# KiCad board P5S533-TVM ISA R101G.kicad_pcb (continued)
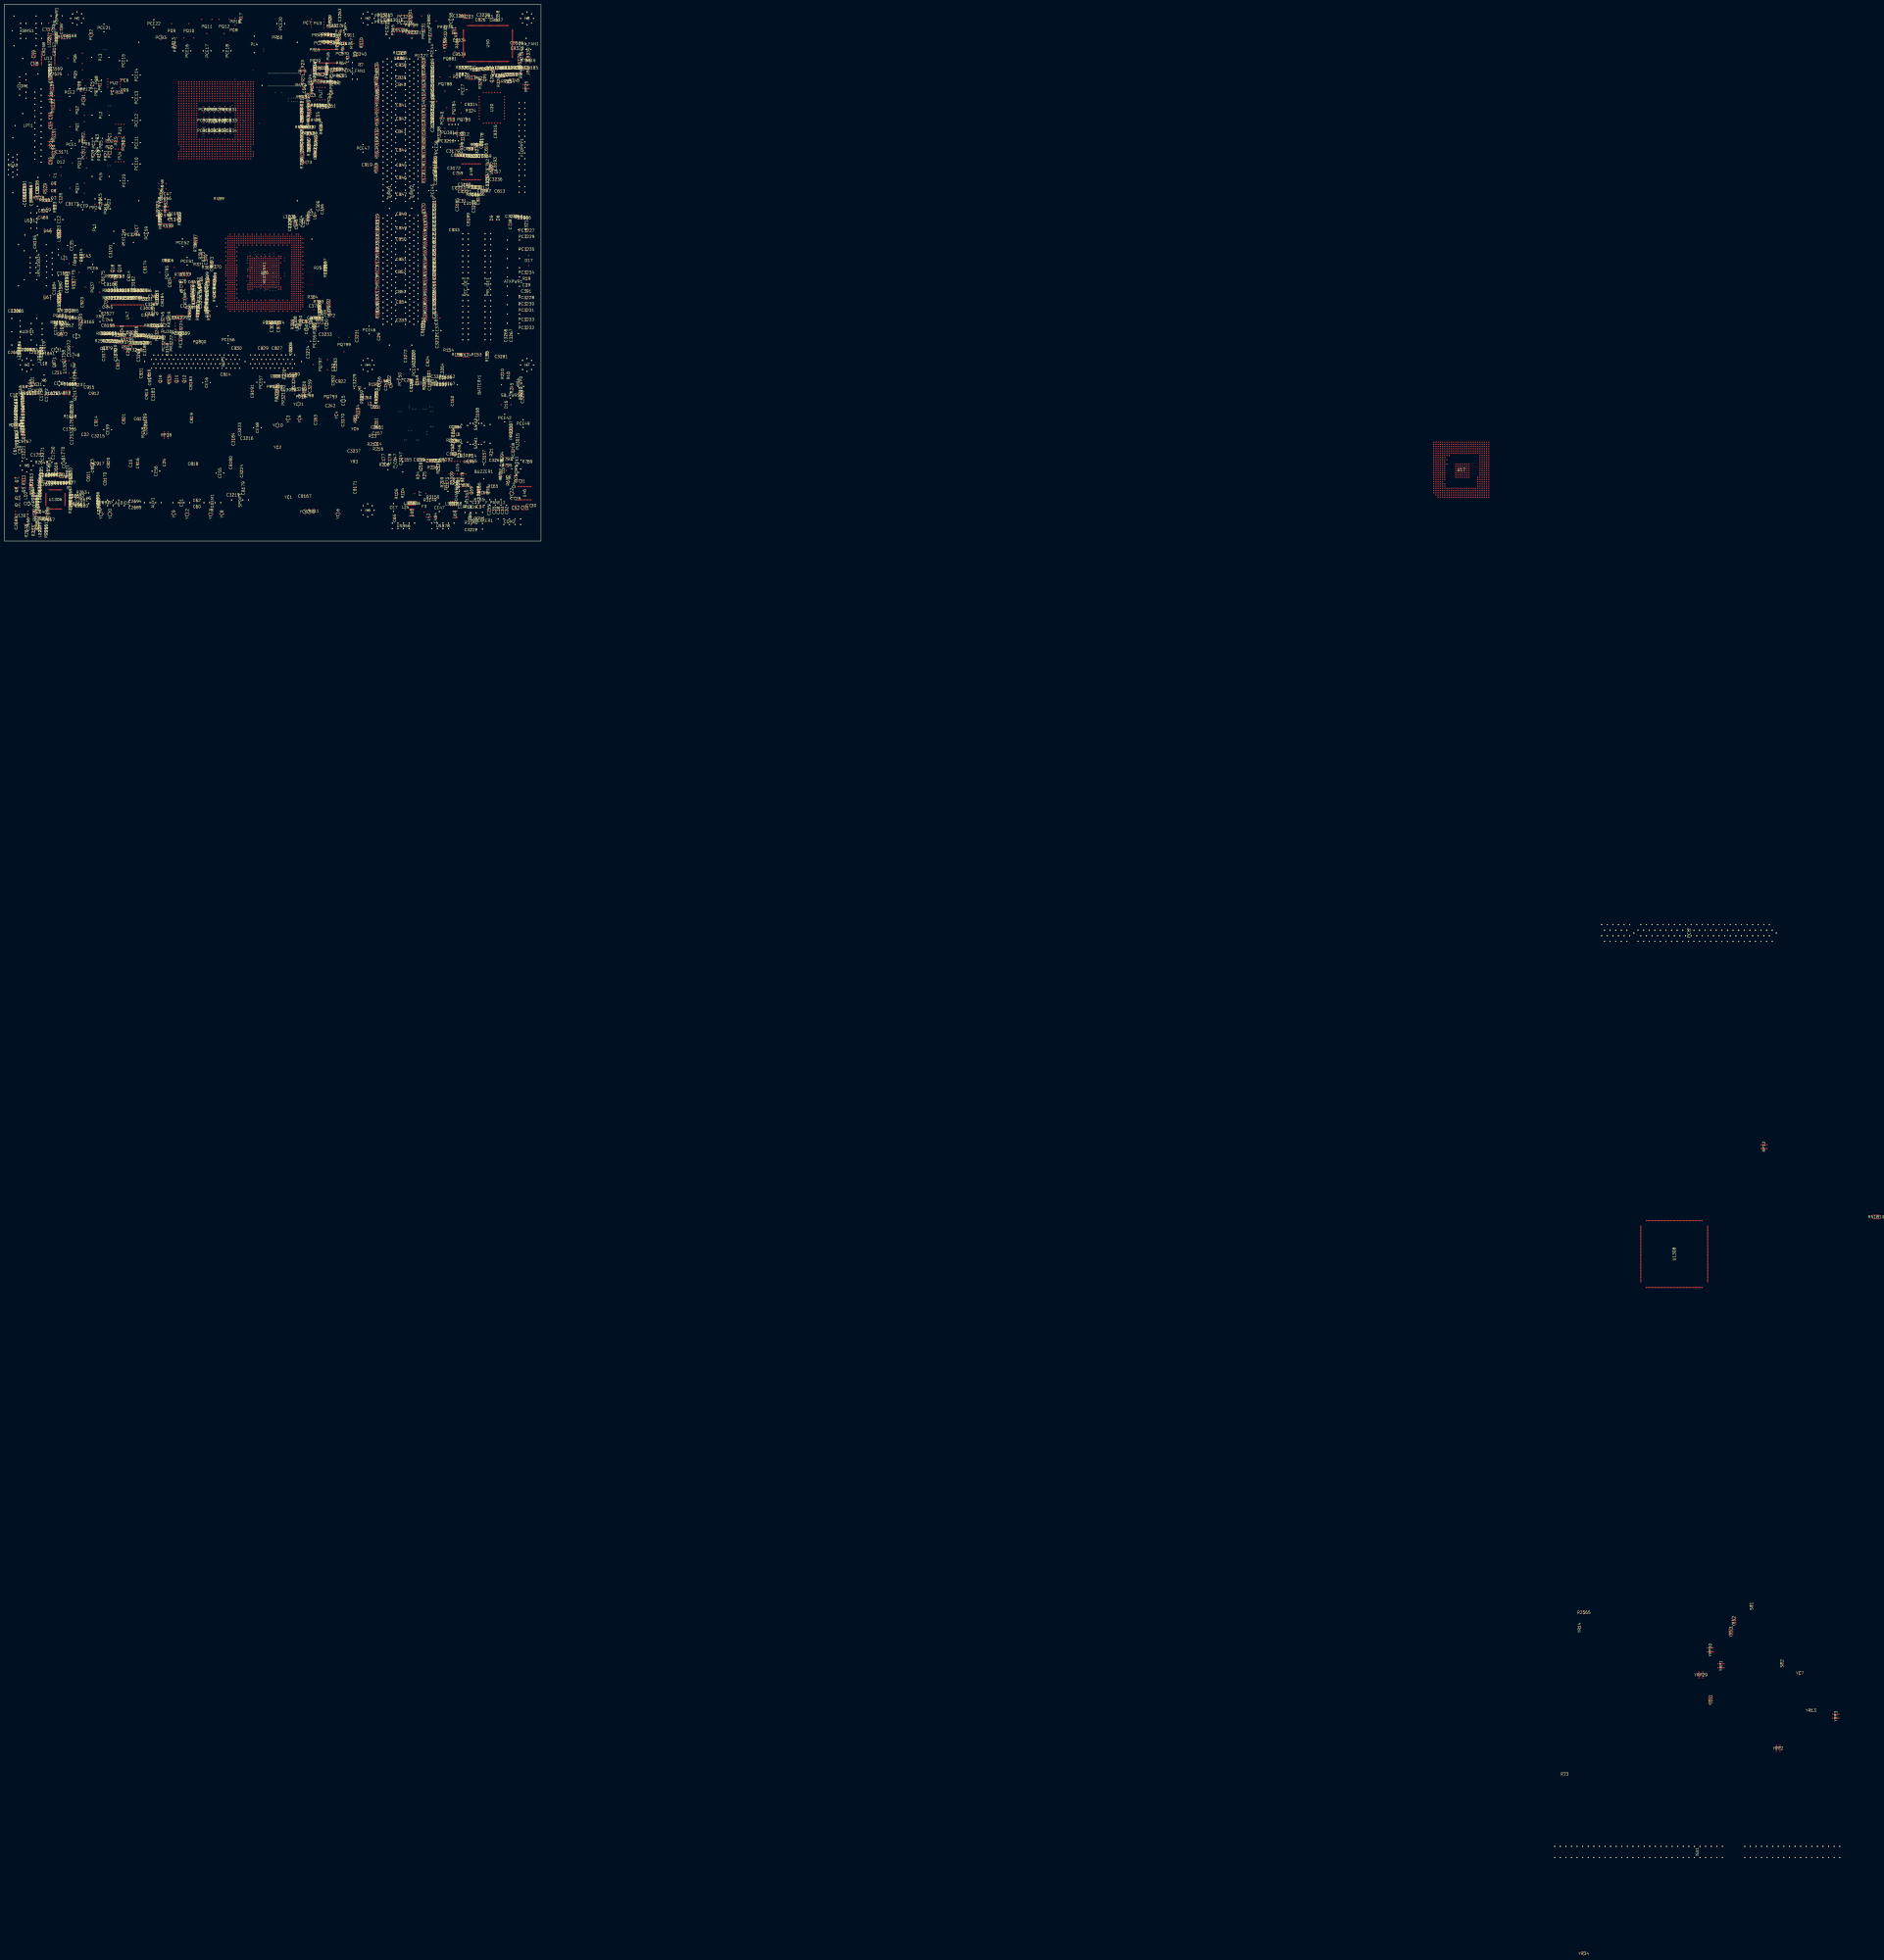
[diagram p0: board, top side]
## Nets (continued)
/+2.5VDUAL: AGP1.8 AGP1.14 AGP1.16 AGP1.22 AGP1.26 AGP1.34 AGP1.40 AGP1.48 AGP1.54 AGP1.60 AGP1.70 AGP1.78 AGP1.84 AGP1.88 AGP1.96 AGP1.102 AGP1.110 AGP1.116 AGP1.122 ATX12V1.1 ATX12V1.2 ATXPWR1.3 ATXPWR1.5 ATXPWR1.7 ATXPWR1.13 ATXPWR1.15 ATXPWR1.16 ATXPWR1.17 BATTERY1.2 BIOS_WP0.2 C1.2 C2.2 C3.2 C4.2 C5.2 C6.2 C7.2 C8.1 C9.2 C10.2 C11.2 C12.2 C13.1 C14.1 C15.1 C16.2 C17.2 C18.2 C19.2 C20.2 C21.2 C22.1 C23.1 C24.1 C25.1 C26.2 C27.1 C28.1 C29.1 C30.1 C31.2 C32.1 C33.1 C34.1 C35.1 C36.1 C38.1 C39.2 C40.1 C41.1 C42.1 C43.1 C44.2 C45.2 C46.2 C47.2 C50.2 C51.2 C52.2 C53.2 C54.2 C55.2 C56.2 C57.1 C61.1 C63.2 C64.2 C65.2 C66.2 C67.1 C135.2 C136.2 C137.2 C138.2 C139.2 C140.2 C141.2 C142.2 C143.2 C144.2 C145.2 C146.2 C147.2 C148.2 C149.2 C150.2 C151.2 C152.1 C153.2 C154.2 C155.2 C156.2 C157.2 C158.2 C159.2 C160.2 C161.2 C162.2 C163.2 C164.2 C165.2 C166.2 C167.2 C169.2 C170.2 C172.1 C173.1 C174.1 C175.2 C176.2 C177.2 C178.2 C179.2 C180.2 C181.2 C182.2 C183.2 C184.2 C185.2 C186.2 C187.2 C188.2 C189.2 C190.2 C191.2 C192.2 C193.2 C194.2 C195.2 C196.2 C197.2 C198.2 C199.2 C200.2 C201.2 C202.2 C203.2 C204.2 C205.2 C206.2 C207.2 C208.2 C209.2 C210.2 C211.2 C212.2 C213.2 C214.2 C215.2 C216.2 C217.2 C218.2 C219.2 C220.2 C221.2 C222.2 C223.2 C224.2 C225.2 C226.2 C227.2 C228.2 C229.2 C230.2 C231.2 C232.2 C233.1 C233.2 C236.2 C237.2 C241.2 C242.2 C254.2 C255.2 C257.1 C261.2 C304.2 C305.2 C306.2 C307.2 C308.2 C314.2 C325.2 C326.2 C328.2 C331.2 C332.2 C335.2 C336.2 C342.2 C343.2 C344.2 C345.2 C346.2 C347.2 C348.2 C349.2 C350.2 C351.2 C354.2 C355.2 C356.2 C358.2 C359.2 C360.2 C362.2 C363.2 C364.2 C365.2 C366.2 C367.2 C368.2 C369.1 C369.2 C370.1 C370.2 C371.1 C371.2 C372.1 C372.2 C374.1 C374.2 C391.2 C484.2 C489.2 C611.1 C612.1 C613.1 C614.1 C615.1 C616.1 C617.2 C630.2 C631.2 C647.2 C655.2 C729.2 C730.2 C731.2 C732.2 C736.2 C737.2 C738.2 C739.2 C740.2 C741.2 C742.2 C743.2 C744.2 C745.2 C746.2 C753.2 C754.2 C756.1 C757.1 C757.2 C758.2 C759.2 C760.2 C761.2 C762.2 C763.1 C764.1 C765.1 C766.1 C769.1 C770.1 C771.1 C772.1 C774.1 C775.1 C777.1 C779.1 C780.1 C781.1 C782.1 C784.1 C786.1 C788.1 C790.2 C791.1 C793.2 C794.2 C795.2 C818.1 C819.1 C820.1 C821.1 C822.2 C823.2 C824.2 C826.2 C830.2 C831.2 C832.2 C908.2 C909.2 C910.2 C911.1 C912.1 C913.1 C914.1 C915.1 C916.1 C917.1 C918.1 C919.1 C919.2 C920.1 C923.1 C924.2 C1345.2 C1635.2 C1683.2 C1684.2 C1745.2 C1746.2 C1747.2 C1748.2 C1749.2 C1750.2 C1751.2 C1752.2 C1753.2 C1754.2 C1756.2 C1757.2 C1758.2 C1759.2 C1760.2 C1761.2 C1762.2 C1763.2 C1764.2 C1765.2 C1766.2 C1767.2 C1768.2 C1769.2 C1770.2 C1771.2 C1772.2 C1773.1 C1774.1 C1775.1 C1776.2 C1777.2 C1778.2 C1779.2 C1781.1 C1784.2 C2652.2 C2654.2 C2655.2 C2660.2 C2661.2 C3006.1 C3150.2 C3157.1 C3158.1 C3159.1 C3166.2 C3167.2 C3168.1 C3169.1 C3170.1 C3171.1 C3172.1 C3173.1 C3174.1 C3176.1 C3178.1 C3179.1 C3182.1 C3183.1 C3184.1 C3185.1 C3205.2 C3206.2 C3207.2 C3208.2 C3209.2 C3210.2 C3214.2 C3215.2 C3216.2 C3218.1 C3219.2 C3220.2 C3221.2 C3222.2 C3231.1 C3232.1 C3233.1 C3236.1 C3237.1 C3246.1 C3247.1 C3260.1 C3261.1 C3262.1 C3263.1 C3264.1 C3267.1 C3268.1 C3269.1 C3270.1 C3273.2 C3274.2 C3275.2 C3276.2 C3277.2 C3278.2 C3279.2 C3280.2 C3281.1 C3283.1 C3284.1 CB15.1 CB16.1 CB25.2 CB26.2 CB27.2 CB28.2 CB29.2 CB30.2 CB31.2 CB32.2 CB33.2 CB34.2 CB35.2 CB36.2 CB37.2 CB38.1 CB38.2 CB39.1 CB39.2 CB40.1 CB40.2 CB41.1 CB41.2 CB42.1 CB42.2 CB43.1 CB43.2 CB44.1 CB44.2 CB45.1 CB45.2 CB46.1 CB46.2 CB47.1 CB47.2 CB48.1 CB48.2 CB49.1 CB49.2 CB50.1 CB50.2 CB51.1 CB51.2 CB52.1 CB52.2 CB53.1 CB53.2 CB54.1 CB54.2 CB78.2 CB79.2 CB80.1 CB81.2 CB82.2 CB83.2 CB84.2 CB85.2 CB86.2 CB87.2 CB88.2 CB89.2 CB90.2 CB91.2 CB92.2 CB93.2 CB94.2 CB95.2 CB96.2 CB97.2 CB98.2 CB99.2 CB100.1 CB100.2 CB105.2 CB106.1 CB107.1 CB108.1 CB108.2 CB109.1 CB109.2 CB111.1 CB111.2 CB114.1 CB114.2 CB115.1 CB132.2 CB157.2 CB158.2 CB159.2 CB160.2 CB165.1 CB167.1 CB168.1 CB170.2 CB171.2 CB172.2 CB173.2 CB174.2 CB175.2 CB178.2 CB179.2 CB180.2 CB181.2 CB182.2 CB183.2 CB184.2 CB185.1 CB188.1 CB189.2 CB191.1 CB192.1 CB193.1 CB193.2 CB314.2 CB315.2 CB328.2 CB329.1 CB330.2 CB331.1 CB332.1 CB534.2 CB536.2 CB537.2 CB539.2 CB540.2 CB972.2 CE2.2 CE3.2 CE7.2 CE15.2 CE16.2 CE31.2 CE32.2 CE35.2 CE47.2 CE49.2 CE50.2 CE55.2 CE56.2 CE58.2 CE59.2 CE60.2 CHA_FAN1.3 CLRTC1.1 CN1.2 CN1.4 CN1.6 CN1.8 CN2.2 CN2.4 CN2.6 CN2.8 CN3.2 CN3.4 CN3.6 CN3.8 CN4.2 CN4.4 CN4.6 CN4.8 CN5.2 CN5.4 CN5.6 CN5.8 CN6.2 CN6.4 CN6.6 CN6.8 CN7.2 CN7.4 CN7.6 CN7.8 CN8.2 CN8.4 CN8.6 CN8.8 CN9.2 CN9.4 CN9.6 CN9.8 COM1.5 COM1.10 COM1.11 COM2.5 CPU_FAN1.1 D7.1 D8.1 D9.1 DIMM1.3 DIMM1.7 DIMM1.11 DIMM1.15 DIMM1.18 DIMM1.22 DIMM1.26 DIMM1.30 DIMM1.34 DIMM1.38 DIMM1.42 DIMM1.46 DIMM1.50 DIMM1.54 DIMM1.58 DIMM1.62 DIMM1.66 DIMM1.70 DIMM1.74 DIMM1.77 DIMM1.81 DIMM1.85 DIMM1.89 DIMM1.90 DIMM1.93 DIMM1.96 DIMM1.100 DIMM1.104 DIMM1.108 DIMM1.112 DIMM1.113 DIMM1.116 DIMM1.120 DIMM1.124 DIMM1.128 DIMM1.132 DIMM1.136 DIMM1.139 DIMM1.143 DIMM1.145 DIMM1.148 DIMM1.152 DIMM1.156 DIMM1.160 DIMM1.164 DIMM1.167 DIMM1.168 DIMM1.172 DIMM1.175 DIMM1.176 DIMM1.180 DIMM1.181 DIMM1.182 DIMM1.183 DIMM2.3 DIMM2.7 DIMM2.11 DIMM2.15 DIMM2.18 DIMM2.22 DIMM2.26 DIMM2.30 DIMM2.34 DIMM2.38 DIMM2.42 DIMM2.46 DIMM2.50 DIMM2.54 DIMM2.58 DIMM2.62 DIMM2.66 DIMM2.70 DIMM2.74 DIMM2.77 DIMM2.81 DIMM2.85 DIMM2.89 DIMM2.90 DIMM2.93 DIMM2.96 DIMM2.100 DIMM2.104 DIMM2.108 DIMM2.112 DIMM2.113 DIMM2.116 DIMM2.120 DIMM2.124 DIMM2.128 DIMM2.132 DIMM2.136 DIMM2.139 DIMM2.143 DIMM2.145 DIMM2.148 DIMM2.152 DIMM2.156 DIMM2.160 DIMM2.164 DIMM2.168 DIMM2.172 DIMM2.175 DIMM2.176 DIMM2.180 DIMM2.181 DIMM2.182 DIMM2.183 F_PANEL1.5 F_PANEL1.8 FLOPPY1.1 FLOPPY1.3 FLOPPY1.7 FLOPPY1.9 FLOPPY1.11 FLOPPY1.13 FLOPPY1.15 FLOPPY1.17 FLOPPY1.19 FLOPPY1.21 FLOPPY1.23 FLOPPY1.25 FLOPPY1.27 FLOPPY1.29 FLOPPY1.31 FLOPPY1.33 H1.1 H1.2 H1.3 H1.4 H1.5 H1.6 H1.7 H1.8 H2.1 H2.2 H2.3 H2.4 H2.5 H2.6 H2.7 H2.8 H3.1 H3.2 H3.3 H3.4 H3.5 H3.6 H3.7 H3.8 H4.1 H4.2 H4.3 H4.4 H4.5 H4.6 H4.7 H4.8 H5.1 H5.2 H5.3 H5.4 H5.5 H5.6 H5.7 H5.8 H6.1 H6.2 H6.3 H6.4 H6.5 H6.6 H6.7 H6.8 H7.1 H7.2 H7.3 H7.4 H7.5 H7.6 H7.7 H7.8 H8.1 H8.2 H8.3 H8.4 H8.5 H8.6 H8.7 H8.8 IR_CON1.4 ISA1.1 ISA1.10 ISA1.31 ISA1.80 ITP1.1 ITP1.2 ITP1.7 ITP1.8 ITP1.13 ITP1.14 ITP1.19 ITP1.20 ITP1.25 ITP1.26 ITP1.31 ITP1.32 ITP1.37 ITP1.38 ITP1.49 ITP1.50 ITP1.59 ITP1.60 JP2.1 JP4.1 KBMS1.3 KBMS1.9 KBMS1.13 KBMS1.14 KBMS1.15 KBMS1.16 KBMS1.17 L105.1 L108.2 LAN_USB34.1 LAN_USB34.2 LAN_USB34.23 LAN_USB34.24 LAN_USB34.25 LAN_USB34.26 LAN_USB34.27 LAN_USB34.28 LAN_USB34.29 LAN_USB34.30 LGA775.5 LGA775.9 LGA775.12 LGA775.15 LGA775.18 LGA775.21 LGA775.24 LGA775.27 LGA775.36 LGA775.39 LGA775.40 LGA775.42 LGA775.43 LGA775.44 LGA775.45 LGA775.46 LGA775.47 LGA775.48 LGA775.49 LGA775.50 LGA775.56 LGA775.58 LGA775.59 LGA775.60 LGA775.61 LGA775.62 LGA775.63 LGA775.64 LGA775.65 LGA775.68 LGA775.71 LGA775.72 LGA775.85 LGA775.88 LGA775.99 LGA775.102 LGA775.104 LGA775.107 LGA775.110 LGA775.113 LGA775.114 LGA775.117 LGA775.121 LGA775.122 LGA775.123 LGA775.124 LGA775.125 LGA775.126 LGA775.127 LGA775.130 LGA775.133 LGA775.134 LGA775.137 LGA775.140 LGA775.143 LGA775.144 LGA775.147 LGA775.150 LGA775.151 LGA775.152 LGA775.153 LGA775.154 LGA775.155 LGA775.156 LGA775.157 LGA775.164 LGA775.167 LGA775.170 LGA775.173 LGA775.174 LGA775.177 LGA775.180 LGA775.181 LGA775.188 LGA775.190 LGA775.193 LGA775.194 LGA775.197 LGA775.200 LGA775.203 LGA775.204 LGA775.207 LGA775.210 LGA775.211 LGA775.221 LGA775.224 LGA775.227 LGA775.230 LGA775.233 LGA775.234 LGA775.237 LGA775.240 LGA775.241 LGA775.244 LGA775.245 LGA775.246 LGA775.247 LGA775.249 LGA775.252 LGA775.254 LGA775.257 LGA775.260 LGA775.263 LGA775.264 LGA775.267 LGA775.270 LGA775.271 LGA775.274 LGA775.275 LGA775.276 LGA775.277 LGA775.280 LGA775.284 LGA775.287 LGA775.290 LGA775.293 LGA775.294 LGA775.297 LGA775.300 LGA775.301 LGA775.304 LGA775.305 LGA775.308 LGA775.311 LGA775.317 LGA775.320 LGA775.323 LGA775.324 LGA775.327 LGA775.330 LGA775.331 LGA775.334 LGA775.335 LGA775.338 LGA775.339 LGA775.347 LGA775.350 LGA775.353 LGA775.354 LGA775.357 LGA775.360 LGA775.361 LGA775.364 LGA775.365 LGA775.368 LGA775.372 LGA775.375 LGA775.378 LGA775.381 LGA775.384 LGA775.387 LGA775.391 LGA775.401 LGA775.404 LGA775.407 LGA775.410 LGA775.413 LGA775.416 LGA775.419 LGA775.421 LGA775.430 LGA775.432 LGA775.433 LGA775.436 LGA775.439 LGA775.442 LGA775.445 LGA775.448 LGA775.451 LGA775.458 LGA775.464 LGA775.467 LGA775.470 LGA775.473 LGA775.476 LGA775.481 LGA775.482 LGA775.483 LGA775.484 LGA775.485 LGA775.488 LGA775.491 LGA775.494 LGA775.497 LGA775.500 LGA775.503 LGA775.506 LGA775.514 LGA775.546 LGA775.549 LGA775.550 LGA775.551 LGA775.552 LGA775.553 LGA775.554 LGA775.555 LGA775.556 LGA775.557 LGA775.560 LGA775.561 LGA775.562 LGA775.563 LGA775.564 LGA775.565 LGA775.566 LGA775.567 LGA775.568 LGA775.569 LGA775.570 LGA775.571 LGA775.577 LGA775.580 LGA775.605 LGA775.608 LGA775.610 LGA775.622 LGA775.625 LGA775.626 LGA775.628 LGA775.629 LGA775.630 LGA775.631 LGA775.632 LGA775.633 LGA775.634 LGA775.635 LGA775.636 LGA775.642 LGA775.654 LGA775.657 LGA775.658 LGA775.671 LGA775.674 LGA775.676 LGA775.677 LGA775.678 LGA775.679 LGA775.680 LGA775.681 LGA775.682 LGA775.683 LGA775.685 LGA775.688 LGA775.690 LGA775.692 LGA775.693 LGA775.694 LGA775.695 LGA775.696 LGA775.697 LGA775.698 LGA775.699 LGA775.702 LGA775.705 LGA775.706 LGA775.716 LGA775.722 LGA775.734 LGA775.737 LGA775.738 LGA775.740 LGA775.741 LGA775.742 LGA775.743 LGA775.744 LGA775.745 LGA775.746 LGA775.747 LGA775.751 LGA775.754 LGA775.765 LGA775.768 LGA775.770 LPT1.18 LPT1.19 LPT1.20 LPT1.21 LPT1.22 LPT1.23 LPT1.24 LPT1.25 LPT1.26 LPT1.27 LPT1.28 PC3.2 PC6.2 PC9.2 PC12.2 PC39.1 PC40.2 PC41.2 PC250.2 PC251.2 PC3212.2 PC3213.2 PC3215.2 PC3217.2 PC3218.2 PC3221.2 PC3226.2 PC3227.2 PC3228.2 PC3229.2 PC3230.2 PC3231.2 PC3232.2 PC3233.2 PC3234.2 PC3235.2 PC3236.2 PC3242.2 PC3248.2 PC3251.2 PC3256.2 PC3257.2 PC3258.2 PC3259.2 PCB1.2 PCB2.2 PCB3.2 PCB4.2 PCB5.2 PCB6.2 PCB7.2 PCB8.2 PCB9.2 PCB10.2 PCB11.2 PCB12.2 PCB30.2 PCB31.2 PCB32.2 PCB33.2 PCB34.2 PCB35.2 PCB36.2 PCB37.2 PCB38.2 PCB39.2 PCB40.2 PCE1.2 PCE2.2 PCE6.2 PCE7.2 PCE9.2 PCE10.2 PCE11.2 PCE12.2 PCE13.2 PCE14.2 PCE15.2 PCE16.2 PCE17.2 PCE18.2 PCE20.2 PCE21.2 PCE22.2 PCE23.2 PCE37.2 PCE38.2 PCE42.2 PCE44.1 PCE44.2 PCE45.1 PCE45.2 PCE46.1 PCE46.2 PCE47.1 PCE47.2 PCE49.2 PCE50.2 PCE51.2 PCE52.2 PCE54.2 PCE55.2 PCE56.2 PCE57.2 PCE58.2 PCE59.2 PCE60.2 PCE61.2 PCI2.3 PCI2.14 PCI2.15 PCI2.20 PCI2.26 PCI2.32 PCI2.37 PCI2.39 PCI2.44 PCI2.50 PCI2.56 PCI2.64 PCI2.65 PCI2.74 PCI2.75 PCI2.77 PCI2.79 PCI2.84 PCI2.90 PCI2.96 PCI2.100 PCI2.108 PCI2.111 PCI2.117 PJP5.1 PJP7.1 PQ3.3 PQ4.3 PQ7.3 PQ8.3 PQ11.3 PQ12.3 PQ15.3 PQ16.3 PQ24.2 PQ785.2 PQ789.2 PQ879.2 PQ881.3 PQ882.2 PQ883.2 PR5.1 PR6.2 PR11.2 PR12.2 PR17.2 PR18.2 PR23.2 PR24.2 PR79.1 PR253.1 PR3196.1 PR3198.2 PR3201.2 PR3207.1 PR3211.2 PR3218.1 PR3228.1 PR3229.1 PR3233.1 PRI_IDE1.2 PRI_IDE1.19 PRI_IDE1.22 PRI_IDE1.24 PRI_IDE1.26 PRI_IDE1.28 PRI_IDE1.30 PRI_IDE1.40 PRN396.6 PRN397.8 PRN401.4 PU1.6 PU2.6 PU3.6 PU4.6 PU7.4 PU3014.2 PU3014.7 PU3014.8 PU3014.9 PU3014.10 PU3014.11 PU3014.12 PU3014.13 PU3014.14 PU3014.15 PU3014.16 PU3014.17 PU3014.18 PU3016.4 PU3017.11 PU3018.4 Q6.2 Q10.2 Q11.2 Q12.2 Q20.2 Q21.2 Q33.2 Q36.2 Q69.2 Q2117.2 Q3021.2 R4.2 R12.1 R13.2 R23.2 R25.1 R30.1 R31.1 R32.1 R33.1 R67.1 R71.1 R93.2 R99.2 R105.2 R155.2 R156.2 R213.2 R214.1 R216.2 R222.2 R259.2 R260.2 R324.2 R328.1 R351.2 R354.1 R367.2 R371.1 R372.2 R373.2 R375.2 R383.2 R384.2 R385.2 R386.2 R387.1 R388.2 R389.2 R390.2 R396.1 R397.1 R399.1 R400.1 R402.2 R477.1 R479.1 R489.1 R490.1 R491.1 R492.1 R502.1 R748.2 R764.1 R766.2 R771.1 R776.1 R781.1 R783.1 R784.1 R785.1 R786.1 R1227.2 R1228.1 R1495.1 R1650.1 R1657.1 R1658.2 R1660.1 R2530.2 R2532.2 R2533.2 R2535.2 R2537.2 R2556.2 R2648.1 R2650.1 R2668.1 R3150.2 R3213.2 R3231.1 R3232.1 R3234.1 R3236.2 R3238.2 R3240.2 RN9.2 RN9.4 RN9.6 RN9.8 RN15.6 RN15.8 RN24.2 RN24.4 RN24.6 RN24.8 RN29.1 RN29.5 RN29.7 RN40.7 RN80.2 RN83.1 RN83.2 RN83.3 RN83.4 RN83.5 RN83.6 RN83.7 RN83.8 RN92.1 RN92.3 RN92.5 RN92.7 RN97.1 RN97.3 RN97.5 RN97.7 RN98.1 RN98.3 RN98.5 RN98.7 RN99.1 RN99.3 RN99.5 RN99.7 RN203.2 RN203.4 SATA1.1 SATA1.4 SATA1.7 SATA2.1 SATA2.4 SATA2.7 SEC_IDE1.2 SEC_IDE1.19 SEC_IDE1.22 SEC_IDE1.24 SEC_IDE1.26 SEC_IDE1.28 SEC_IDE1.30 SEC_IDE1.40 SPDIF1.4 SPEAKER1.2 SPEAKER1.3 U13.11 U15.7 U15.12 U15.13 U17.4 U17.15 U17.17 U17.19 U17.21 U17.37 U17.47 U17.48 U17.49 U17.65 U17.72 U17.74 U17.76 U17.96 U17.98 U17.100 U17.102 U17.123 U17.125 U17.127 U17.149 U17.151 U17.153 U17.186 U17.188 U17.190 U17.192 U17.193 U17.211 U17.213 U17.215 U17.217 U17.218 U17.222 U17.224 U17.230 U17.232 U17.235 U17.237 U17.239 U17.241 U17.243 U17.264 U17.266 U17.268 U17.295 U17.297 U17.298 U17.309 U17.310 U17.323 U17.324 U17.332 U17.333 U17.352 U17.353 U17.354 U17.355 U17.356 U17.357 U17.358 U17.370 U17.371 U17.372 U17.373 U17.374 U17.375 U17.376 U17.388 U17.389 U17.390 U17.391 U17.392 U17.393 U17.394 U17.406 U17.407 U17.408 U17.409 U17.410 U17.411 U17.412 U17.424 U17.425 U17.426 U17.427 U17.428 U17.429 U17.430 U17.433 U17.442 U17.443 U17.444 U17.445 U17.446 U17.447 U17.448 U17.460 U17.461 U17.462 U17.463 U17.464 U17.465 U17.466 U17.469 U17.485 U17.491 U17.495 U26.1 U26.2 U26.13 U26.14 U26.15 U26.16 U26.17 U26.18 U26.19 U26.28 U26.29 U26.30 U26.31 U26.32 U26.33 U26.34 U26.35 U26.36 U26.37 U26.42 U26.46 U26.55 U26.56 U26.57 U26.58 U26.59 U26.60 U26.61 U26.62 U26.63 U26.64 U26.65 U26.66 U26.69 U26.78 U26.79 U26.80 U26.81 U26.82 U26.83 U26.84 U26.85 U26.86 U26.87 U26.88 U26.90 U26.92 U26.96 U26.101 U26.103 U26.105 U26.107 U26.109 U26.111 U26.114 U26.117 U26.123 U26.125 U26.126 U26.127 U26.128 U26.129 U26.130 U26.131 U26.132 U26.133 U26.134 U26.135 U26.136 U26.137 U26.138 U26.139 U26.140 U26.142 U26.146 U26.151 U26.152 U26.155 U26.156 U26.159 U26.165 U26.168 U26.172 U26.179 U26.185 U26.188 U26.192 U26.201 U26.205 U26.207 U26.208 U26.209 U26.222 U26.232 U26.234 U26.236 U26.237 U26.241 U26.242 U26.243 U26.245 U26.247 U26.249 U26.251 U26.253 U26.255 U26.257 U26.259 U26.261 U26.263 U26.265 U26.275 U26.276 U26.277 U26.278 U26.306 U26.311 U26.312 U26.313 U26.315 U26.317 U26.319 U26.321 U26.323 U26.325 U26.327 U26.329 U26.331 U26.333 U26.335 U26.337 U26.339 U26.341 U26.345 U26.346 U26.347 U26.348 U26.378 U26.379 U26.380 U26.381 U26.382 U26.383 U26.384 U26.385 U26.386 U26.387 U26.388 U26.389 U26.390 U26.391 U26.392 U26.393 U26.394 U26.395 U26.401 U26.430 U26.432 U26.434 U26.437 U26.441 U26.442 U26.443 U26.444 U26.452 U26.454 U26.456 U26.458 U26.460 U26.463 U26.465 U26.473 U26.500 U26.504 U26.506 U26.508 U26.521 U26.523 U26.525 U26.527 U26.529 U26.531 U26.535 U26.537 U26.557 U26.559 U26.563 U26.566 U26.570 U26.572 U26.577 U26.579 U26.583 U26.586 U26.590 U26.592 U26.597 U26.599 U26.603 U26.613 U26.617 U26.619 U26.640 U26.642 U26.646 U26.664 U26.668 U26.670 U26.675 U26.676 U26.677 U26.678 U26.679 U26.680 U26.681 U26.682 U26.683 U26.684 U26.689 U26.691 U26.695 U26.699 U26.700 U26.701 U26.702 U26.703 U26.704 U26.705 U26.706 U26.707 U26.708 U26.713 U26.717 U26.719 U26.724 U26.725 U26.726 U26.727 U26.728 U26.729 U26.730 U26.731 U26.732 U26.733 U26.738 U26.740 U26.744 U26.748 U26.749 U26.750 U26.751 U26.752 U26.753 U26.754 U26.755 U26.756 U26.757 U26.762 U26.766 U26.768 U26.773 U26.774 U26.775 U26.776 U26.777 U26.778 U26.779 U26.780 U26.781 U26.782 U26.787 U26.789 U26.793 U26.798 U26.799 U26.800 U26.801 U26.802 U26.803 U26.804 U26.805 U26.806 U26.807 U26.812 U26.816 U26.818 U26.819 U26.824 U26.825 U26.826 U26.827 U26.828 U26.829 U26.830 U26.831 U26.832 U26.833 U26.838 U30.3 U30.4 U30.9 U30.10 U30.11 U30.12 U30.16 U30.26 U30.28 U30.30 U46.11 U47.5 U47.8 U47.18 U47.23 U47.24 U47.32 U47.37 U47.41 U47.45 U48.6 U48.11 U48.15 U48.28 U50.20 U50.55 U50.58 U50.95 U50.96 U50.111 U50.117 U66.2 U67.2 U68.2 U69.2 U1304.5 U1306.4 U1306.7 U1308.18 U1308.28 U1308.40 U1308.52 U1308.69 U1308.80 U1308.91 U1308.101 U1308.120 U1308.136 U1308.148 U1308.160 USB12.4 USB12.8 USB12.9 USB12.10 USB12.11 USB12.12 USB56.7 USB56.8 USB78.7 USB78.8 VGA1.5 VGA1.6 VGA1.7 VGA1.8 VGA1.10 VGA1.16 VGA1.17 WOL1.2 WOR1.2 X1.3 X5.3 X6.3 X7.3 X7.4 X10.3 YC1.2 YC2.2 YC3.2 YC4.2 YC5.2 YC6.2 YC7.2 YC8.2 YC9.2 YC10.2 YC11.2 YC12.2 YC13.2 YC16.2 YC17.2 YC18.2 YC20.2 YC21.2 YC22.2 YC23.2 YC24.2 YR34.2 YRN3.2 YRN3.4 YRN3.6 YRN3.8 YRP1.5 YRP1.10
/+2.5VDUAL_CON_10: PC3261.1 PRN396.7 PU3016.7
/+2.5VDUAL_FB_10: PC3261.2 PRN396.5 PU3016.6
/+2.5VDUAL_REF_10: PC3215.1 PR3200.1 PR3201.1 PU3016.5
/+3V: AGP1.12 AGP1.19 AGP1.28 AGP1.31 AGP1.74 AGP1.81 AGP1.90 AGP1.93 ATXPWR1.1 ATXPWR1.2 ATXPWR1.11 C24.2 C25.2 C67.2 C153.1 C154.1 C162.1 C163.1 C164.1 C166.1 C306.1 C356.1 C362.1 C365.1 C613.2 C614.2 C738.1 C815.2 C816.2 C818.2 C819.2 C826.1 C922.2 C924.1 C2654.1 C2655.1 C3157.2 C3158.2 C3159.2 C3168.2 C3170.2 C3172.2 C3174.2 C3176.2 C3178.2 C3179.2 C3182.2 C3183.2 C3184.2 C3185.2 C3187.2 C3189.2 C3190.1 C3191.1 C3218.2 C3223.1 C3224.1 C3225.1 C3228.2 C3229.2 C3230.2 C3235.1 C3236.2 C3237.2 C3238.1 C3239.1 C3246.2 C3247.2 C3264.2 C3267.2 C3268.2 C3272.2 C3281.2 CB13.2 CB14.2 CB32.1 CB33.1 CB34.1 CB172.1 CB174.1 CB177.2 CB178.1 CB180.1 CB181.1 CB182.1 CB183.1 CB184.1 CB186.2 CB189.1 CB191.2 CB192.2 CB314.1 CB315.1 CB534.1 CB536.1 CB537.1 CE16.1 CE49.1 CE50.1 CE55.1 CE56.1 CE60.1 D16.1 DIMM1.184 DIMM2.184 L54.2 L55.2 L60.2 L61.2 L63.2 L64.2 L66.1 L67.1 L103.1 L109.2 L3027.2 L3208.2 PC3212.1 PC3232.1 PC3233.1 PCB40.1 PCI2.23 PCI2.29 PCI2.35 PCI2.41 PCI2.47 PCI2.53 PCI2.87 PCI2.93 PCI2.98 PCI2.103 PCI2.105 PCI2.114 PQ784.3 PQ795.2 PQ797.2 PR39.2 PR52.2 PR437.1 PRN399.4 PU3014.1 PU3014.6 R2.2 R5.2 R6.2 R10.2 R16.2 R21.2 R24.2 R26.2 R27.2 R28.2 R29.2 R48.2 R153.2 R154.2 R171.2 R205.2 R206.1 R211.2 R212.1 R245.2 R246.2 R305.2 R325.2 R326.2 R376.2 R377.2 R378.2 R379.2 R380.2 R381.2 R391.1 R393.1 R394.1 R763.1 R768.2 R769.2 R1492.2 R2666.2 R3167.1 RN1.1 RN10.4 RN34.6 RN174.8 RN203.6 RN203.8 RN1813.2 RN1813.4 RN1813.6 RN1813.8 RP12.5 RP12.10 RP28.5 RP28.10 U17.35 U17.50 U17.52 U17.53 U17.55 U17.57 U17.59 U17.60 U17.317 U17.329 U17.330 U17.340 U17.341 U17.359 U17.369 U17.387 U17.405 U17.459 U17.477 U17.488 U26.608 U26.628 U26.654 U30.1 U30.25 U30.27 U30.32 U50.12 U50.28 U50.48 U50.114 U1306.1 U1306.9 U1308.1 U1308.22 U1308.130 U1308.146 YC4.1 YC5.1 YC6.1 YR3.1 YR13.1 YR14.1
/+3V_SW: PQ37.1 PQ784.1 PQ785.3 PRN395.1
/+3VAUX: C1635.1 C1748.1 C1749.1 C1750.1 C1751.1 C1752.1 C1753.1 C1754.1 C1758.1 C1760.1 L8.2 L15.1 L211.1 Q871.3 R1648.2 R1649.2 R1653.1 RN877.1 RN877.3 RN877.5 RN877.7 U1304.6 U1304.8
/+3VDUAL: PC3214.1 PCE7.1 PQ784.2 PQ786.3 PQ788.2 PRN397.2 PRN401.1 RN9.1 RN9.3 RN9.5 RN9.7
/+3VIN: CB331.2 R351.1 R763.2 U50.98
/+3VSB: AGP1.89 C151.1 C241.1 C242.1 C913.2 C916.2 C1746.1 C1747.1 CB539.1 CE59.1 D3.2 D10.1 D16.2 L1.2 L8.1 PCE49.1 PCI2.16 PQ786.2 PQ793.2 PR75.2 PR251.2 PR3200.2 PR3203.2 PR3209.2 PR3215.2 PR3223.2 PR3224.2 PR3237.1 PRN395.5 PU3015.2 R56.2 R168.2 R251.2 R255.2 R256.2 R261.2 R448.1 R794.2 R1669.2 R3233.2 RN1.4 RN1.5 RN1.7 RN174.2 RN174.4 RN174.6 SB_PWR1.1 U15.4 U15.14 U17.179 U17.182 U17.254 U17.255 U17.259 U17.262 U17.280 U17.282 U17.283 U17.285 U17.286 U17.306 U26.77 U50.61
/+3VSB_SW: PQ38.1 PQ786.1 PQ883.3 PRN395.4
/+5V: AGP1.67 AGP1.68 ATXPWR1.4 ATXPWR1.6 ATXPWR1.19 ATXPWR1.20 BUZZER1.1 C8.2 C13.2 C15.2 C22.2 C23.2 C41.2 C42.2 C43.2 C57.2 C58.2 C59.2 C611.2 C612.2 C731.1 C816.1 C820.2 C821.2 C912.2 C3169.2 C3171.2 C3173.2 C3191.2 C3214.1 C3215.1 C3216.1 C3219.1 C3220.1 C3221.1 C3222.1 C3223.2 C3224.2 C3225.2 C3238.2 C3239.2 C3240.2 C3260.2 C3261.2 C3262.2 C3263.2 C3269.2 C3270.2 CB31.1 CB157.1 CB165.2 CB167.2 CB168.2 CB170.1 CB171.1 CB173.1 CB175.1 CB177.1 CB179.1 CE58.1 D12.1 D17.1 IR_CON1.1 ISA1.3 ISA1.29 ISA1.78 KBPWR1.1 PC3228.1 PC3229.1 PC3230.1 PCI2.5 PCI2.6 PCI2.7 PCI2.10 PCI2.12 PCI2.18 PCI2.59 PCI2.61 PCI2.62 PCI2.67 PCI2.68 PCI2.81 PCI2.119 PCI2.120 PCI2.121 PCI2.122 PQ37.3 R140.2 R161.2 R765.1 R1659.2 R3540.2 RN10.2 RN178.2 RN178.8 RP25.5 RP25.10 SPDIF1.1 SPEAKER1.1 SR1.2 SR2.2 U13.20 U46.20 U1308.41 U1308.81 U1308.93 U1308.121 YC1.1 YC2.1 YC3.1 YC8.1 YC9.1 YC10.1 YC11.1 YC12.1 YC13.1 YC16.1 YC17.1 YC18.1 YRN1.2 YRN1.4 YRN1.6 YRN1.8 YRN2.2 YRN2.4 YRN2.6 YRN2.8 YRP2.5 YRP2.10 YRP3.5 YRP3.10 YRP29.5 YRP29.10 YRP30.5 YRP30.10
/+5VA: C2656.1 C2657.1 C2666.1 C2667.1 CE42.1 FP_AUDIO1.4 R2669.2 RN1810.6 RN1810.8 U1306.25 U1306.38 U1307.1
/+5VDUAL: C58.1 C59.1 C61.2 F3.1 F5.1 F6.1 F7.1 PCE6.1 PQ37.2 PQ38.3
/+5VIN: C793.1 R764.2 R765.2 U50.97
/+5VSB: ATXPWR1.9 C923.2 CE3.1 CHASSIS1.1 D17.2 KBPWR1.3 PC41.1 PC3218.1 PC3234.1 PCE42.1 PD15.1 PD16.1 PQ38.2 PRN4.5 PRN4.7 PRN395.3 PRN401.5 PRN401.7 PU7.8 PU3015.3 R789.1 R1703.1 R3212.2 RN8.4 U66.5 U67.5 U68.5 U69.5 WOL1.1
/+12V: AGP1.4 ATXPWR1.10 C729.1 C911.2 C914.2 C917.2 C2665.1 CB158.1 ISA1.9 J1.3 PC3227.1 PC3248.1 PCI2.4 PD15.2 PD16.2 PQ880.3 PR3231.2 PRN395.2 PU3017.4 R353.2 R532.1 R747.2 R755.2 RN1812.2 U13.1 U46.1 U1307.8 YC20.1 YC21.1 YC22.1
/+12V4P: ATX12V1.3 ATX12V1.4 PC3236.1 PD17.3 PL1.1
/+12VD: PCE59.1 PD2.3 PD3.3 PD4.3 PD5.3 PD17.1 PD17.2 PR3.1 PR9.1 PR15.1 PR21.1 PR46.1
/+12VIN: CB332.2 R353.1 R354.2 U50.99
/+VDDQ: AGP1.37 AGP1.43 AGP1.51 AGP1.57 AGP1.63 AGP1.99 AGP1.105 AGP1.108 AGP1.113 AGP1.119 AGP1.125 C3234.1 CB13.1 CB14.1 CB27.1 CB28.1 CB29.1 CB30.1 CB90.1 CB91.1 CB92.1 PCE56.1 PCE57.1 PQ800.3 PR3222.1 R220.1 R366.2 RN34.2 RN34.4 U26.20 U26.21 U26.22 U26.23 U26.24 U26.25 U26.47 U26.48 U26.49 U26.50 U26.51 U26.52 U26.71 U26.72 U26.73 U26.74 U26.75 U26.76 U26.605 U26.606 U26.607 U26.622 U26.623 U26.624 U26.625 U26.626 U26.627 U26.648 U26.649 U26.673 U26.697 U26.722 U26.746 U26.771
/+VDDQ_CON_10: PC3253.2 PR3222.2 PU3017.6
/+VDDQ_REF_10: PC3257.1 PR3223.1 PR3228.2 PU3017.5
/-5V: ATXPWR1.18 ISA1.5 PC3235.1
/-12V: ATXPWR1.12 C730.1 C915.2 C918.2 CB132.1 ISA1.7 PC3231.1 PCI2.63 U13.10 U46.10 YC23.1 YC24.1
/AVDD18: C1759.1 R201.2
/AVDDH: C1756.1 C1757.1 L211.2 R20.1
/AVDDL: C1761.1 C1762.1 C1763.1 C1784.1 L15.2 L18.2 R1580.2 R1655.1
/DGND: PC24.2 PC30.2 PC31.2 PC34.2 PC35.2 PC36.2 PC37.2 PJP5.2 PR49.2 PR63.2 PR64.2 PR67.1 PU6.19
/DVDD: C1764.1 C1765.1 C1766.1 C1767.1 C1769.1 C1770.1 C1771.1 C1772.1 R200.1 R1654.2
/GNDA: AUDIO1.1 AUX1.2 AUX1.3 C2649.2 C2650.2 C2656.2 C2657.2 C2658.1 C2662.1 C2663.1 C2664.1 C2665.2 C2666.2 C2667.2 C2668.1 C2670.1 C2674.1 C2679.2 C2680.2 C2681.2 C2682.2 C2683.2 C2684.2 C2685.2 C2686.2 C2687.2 C2688.2 C2689.2 C2690.2 C2691.2 C2692.2 C2693.2 C2694.2 C3285.2 C3286.2 CE42.2 FP_AUDIO1.2 MODEM1.2 MODEM1.3 Q5.2 Q7.2 Q8.2 R1.1 R2648.2 R2650.2 R2655.1 R2656.1 R2660.1 R2661.1 R2662.1 R2663.1 R2664.2 R2667.1 R2671.1 R2672.1 R2677.1 R2678.1 RN1811.1 RN1811.3 RN1811.5 RN1811.7 U1306.26 U1306.42 U1307.2 U1307.3 U1307.6 U1307.7
/SVDDZCMP: C175.1 L51.2 R204.1
/VCC_SENSE_AN3: LGA775.340 TP4.1
/VCCA: C49.1 JP3.2 L107.1 LGA775.26 R498.2
/VCCIOPLL: C48.1 JP3.1 L106.2 LGA775.420 R498.1
/VCCM_CON_10: PQ789.3 PQ881.1 PRN396.8 PRN401.8
/VSSA: C48.2 C49.2 LGA775.390
/2_10: PC3214.2 PC3216.1 PC3216.2 PC3247.1 PC3247.2 PQ797.1 PRN396.1 PRN396.3 PRN399.2 PRN399.3 PRN399.5 PRN401.2 PRN401.3 PU3016.1 PU3016.2 PU3016.3 PU3017.12 PU3017.13 PU3017.14
/8X_DET: Q10.3 Q11.1 Q12.1 RN34.5
/8X_DET#: Q12.3 R221.1
/14M963: R2557.2 U17.94
/14M_IN: C746.1 R2527.2 U47.6 X10.2
/14M_ISA: ISA1.30 R73.2
/14M_OUT: C745.1 R2527.1 U47.7 X10.1
/660_BOUT: C138.1 C824.1 D9.3 L47.1 RN29.8 U26.6
/660_CSYNC: R394.2 R400.2 U26.476
/660_DACAVDD: C357.2 C359.1 C360.1 C361.2 L65.2 U26.477 U26.478
/660_DCLKAVDD: C363.1 C364.1 L66.2 U26.409
/660_DDC_CK: R192.1 U26.512
/660_DDC_DA: R190.1 U26.440
/660_ECLKAVDD: C366.1 C367.1 L67.2 U26.408
/660_GOUT: C137.1 C822.1 D8.3 L46.1 RN29.6 U26.407
/660_HSYNC: R188.1 R406.2
/660_LSYNC: R393.2 R399.2 U26.475
/660_ROUT: C136.1 C823.1 D7.3 L45.1 RN29.2 U26.406
/660_RSYNC: R391.2 R397.2 U26.511
/660_VCOMP: C361.1 U26.514
/660_VRSET: R402.1 U26.479
/660_VSYNC: R189.1 R407.2
/660_VVBWN: C357.1 U26.513
/660HSYNC: R406.1 U26.5
/+VCORE: C3240.1 LGA775.41 LGA775.57 LGA775.73 LGA775.74 LGA775.75 LGA775.76 LGA775.77 LGA775.78 LGA775.79 LGA775.80 LGA775.81 LGA775.89 LGA775.90 LGA775.91 LGA775.92 LGA775.93 LGA775.94 LGA775.95 LGA775.96 LGA775.97 LGA775.106 LGA775.108 LGA775.109 LGA775.111 LGA775.112 LGA775.115 LGA775.116 LGA775.118 LGA775.119 LGA775.120 LGA775.135 LGA775.136 LGA775.138 LGA775.139 LGA775.141 LGA775.142 LGA775.145 LGA775.146 LGA775.148 LGA775.149 LGA775.165 LGA775.166 LGA775.168 LGA775.169 LGA775.171 LGA775.172 LGA775.175 LGA775.176 LGA775.178 LGA775.179 LGA775.182 LGA775.183 LGA775.184 LGA775.185 LGA775.186 LGA775.187 LGA775.195 LGA775.196 LGA775.198 LGA775.199 LGA775.201 LGA775.202 LGA775.205 LGA775.206 LGA775.208 LGA775.209 LGA775.212 LGA775.213 LGA775.214 LGA775.215 LGA775.216 LGA775.217 LGA775.225 LGA775.226 LGA775.228 LGA775.229 LGA775.231 LGA775.232 LGA775.235 LGA775.236 LGA775.238 LGA775.239 LGA775.242 LGA775.243 LGA775.255 LGA775.256 LGA775.258 LGA775.259 LGA775.261 LGA775.262 LGA775.265 LGA775.266 LGA775.268 LGA775.269 LGA775.272 LGA775.273 LGA775.285 LGA775.286 LGA775.288 LGA775.289 LGA775.291 LGA775.292 LGA775.295 LGA775.296 LGA775.298 LGA775.299 LGA775.302 LGA775.303 LGA775.306 LGA775.307 LGA775.315 LGA775.316 LGA775.318 LGA775.319 LGA775.321 LGA775.322 LGA775.325 LGA775.326 LGA775.328 LGA775.329 LGA775.332 LGA775.333 LGA775.336 LGA775.337 LGA775.345 LGA775.346 LGA775.348 LGA775.349 LGA775.351 LGA775.352 LGA775.355 LGA775.356 LGA775.358 LGA775.359 LGA775.362 LGA775.363 LGA775.366 LGA775.367 LGA775.581 LGA775.582 LGA775.583 LGA775.584 LGA775.585 LGA775.586 LGA775.587 LGA775.588 LGA775.591 LGA775.592 LGA775.593 LGA775.594 LGA775.595 LGA775.596 LGA775.597 LGA775.598 LGA775.599 LGA775.600 LGA775.601 LGA775.602 LGA775.603 LGA775.611 LGA775.612 LGA775.613 LGA775.614 LGA775.615 LGA775.616 LGA775.617 LGA775.618 LGA775.619 LGA775.627 LGA775.643 LGA775.644 LGA775.645 LGA775.646 LGA775.647 LGA775.648 LGA775.649 LGA775.650 LGA775.651 LGA775.659 LGA775.660 LGA775.661 LGA775.662 LGA775.663 LGA775.664 LGA775.665 LGA775.666 LGA775.667 LGA775.675 LGA775.691 LGA775.707 LGA775.708 LGA775.709 LGA775.710 LGA775.711 LGA775.712 LGA775.713 LGA775.714 LGA775.715 LGA775.723 LGA775.724 LGA775.725 LGA775.726 LGA775.727 LGA775.728 LGA775.729 LGA775.730 LGA775.731 LGA775.739 LGA775.755 LGA775.756 LGA775.757 LGA775.758 LGA775.759 LGA775.760 LGA775.761 LGA775.762 LGA775.763 LGA775.771 LGA775.772 LGA775.773 LGA775.774 LGA775.775 LGA775.776 LGA775.777 LGA775.778 LGA775.779 PCB4.1 PCB5.1 PCB6.1 PCB7.1 PCB8.1 PCB9.1 PCB10.1 PCB11.1 PCB30.1 PCB31.1 PCB32.1 PCB33.1 PCB34.1 PCB35.1 PCB36.1 PCB37.1 PCB38.1 PCB39.1 PCE10.1 PCE11.1 PCE12.1 PCE13.1 PCE14.1 PCE15.1 PCE16.1 PCE17.1 PCE18.1 PCE20.1 PCE23.1 PCE60.1 PCE61.1 PJP1.2 PJP2.2 PJP3.2 PJP4.2 PJP6.1 PL2.1 PL3.1 PL4.1 PL5.1 PR252.2 R348.1 R767.2